# Altium PCB HIL_RIG_REV_1_2.PcbDoc (part 11 of 14)
Units mil, origin at the board's own origin, x right, y up, seen from the top; angles counter-clockwise.
Board outline 9845 x 7590 mil, 6 copper layers (Top Layer, Int1 (GND), Int2 (PWR), Int3 (Sign), Int4 (GND), Bottom Layer), stack 60.566 mil thick; 1465 components, 731 nets, 4058 pads, 3944 vias.
Unrouted connection lines stored in the file: 1754.
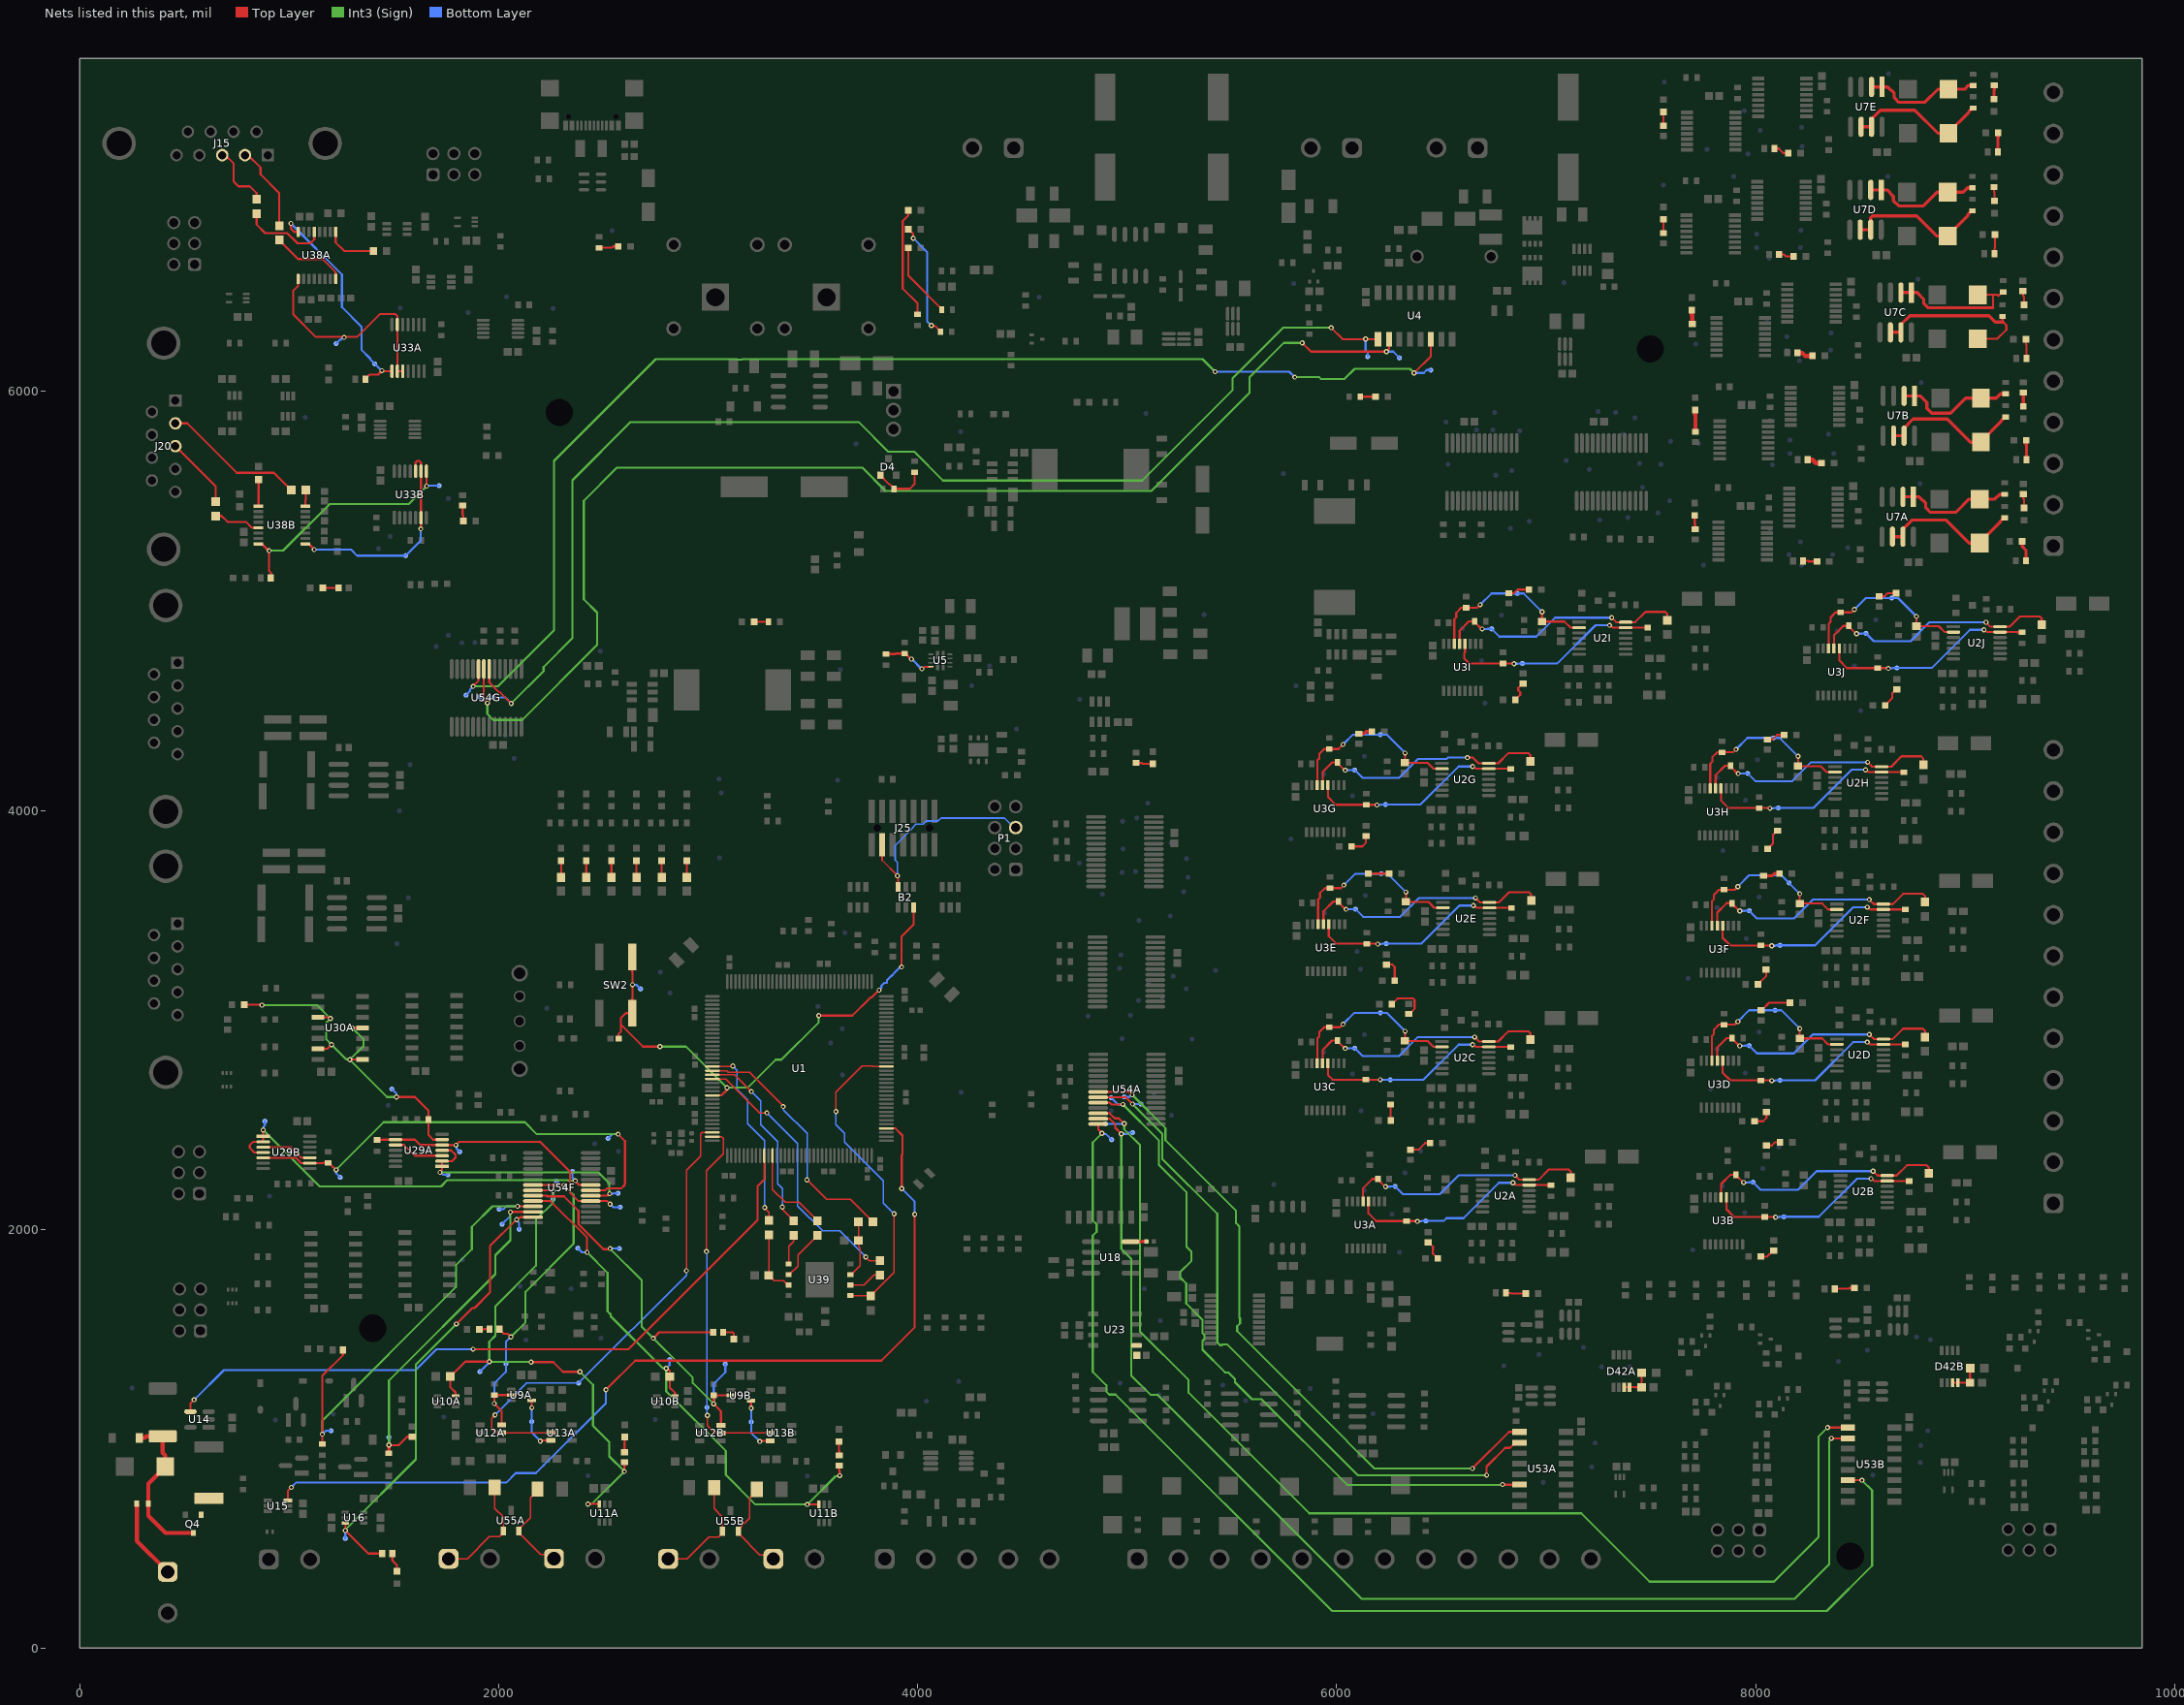
[diagram p15: the nets of this part, all layers, seen from the top]

## Via types
v1: diameter 24, hole 12, Top Layer to Bottom Layer, tented both sides, 3944 vias

## Nets (pads, with @x,y where several pads share a name; then routed paths per layer and width w, separated by ;. In a path a pad name is that pad's centre, name@x,y a point inside that pad or via, vN(x,y) a via of type N, cw(c..) or ccw(c..) an arc to the next point about the centre after c; other vN are vias at no path point) (continued)
N_DI_5V_compC: R10C.2 R11C.1 TP4C.1 U2C.2 U3C.14 | length 868.3
  Top Layer w10: U3C.14@5907.61,2796.49 5907.61,2910.52 5917.2,2920.11 5917.2,2941.45 5940.91,2965.15 6016.61,2965.15 v1(6030.92,2979.46) ; v1(6326.89,2945.79) R10C.2@6326.89,2899.38 6433.67,2899.38 6462.08,2870.98 U2C.2@6503.66,2870.98
  Bottom Layer w10: v1(6030.92,2979.46) 6085.25,3033.79 TP4C.1@6208.89,3033.79 6238.89,3033.79 v1(6326.89,2945.79)
N_DI_5V_compD: R10D.2 R11D.1 TP4D.1 U2D.2 U3D.14 | length 868.3
  Top Layer w10: U3D.14@7791.61,2808.49 7791.61,2922.52 7801.2,2932.11 7801.2,2953.45 7824.91,2977.15 7900.61,2977.15 v1(7914.92,2991.46) ; v1(8210.89,2957.79) R10D.2@8210.89,2911.38 8317.67,2911.38 8346.08,2882.98 U2D.2@8387.66,2882.98
  Bottom Layer w10: v1(7914.92,2991.46) 7969.25,3045.79 TP4D.1@8092.89,3045.79 8122.89,3045.79 v1(8210.89,2957.79)
N_DI_5V_compE: R10E.2 R11E.1 TP4E.1 U2E.2 U3E.14 | length 868.3
  Top Layer w10: U3E.14@5911.61,3460.49 5911.61,3574.52 5921.2,3584.11 5921.2,3605.45 5944.91,3629.15 6020.61,3629.15 v1(6034.92,3643.46) ; v1(6330.89,3609.79) R10E.2@6330.89,3563.38 6437.67,3563.38 6466.08,3534.98 U2E.2@6507.66,3534.98
  Bottom Layer w10: v1(6034.92,3643.46) 6089.25,3697.79 TP4E.1@6212.89,3697.79 6242.89,3697.79 v1(6330.89,3609.79)
N_DI_5V_compF: R10F.2 R11F.1 TP4F.1 U2F.2 U3F.14 | length 868.3
  Top Layer w10: U3F.14@7791.61,3452.49 7791.61,3566.52 7801.2,3576.11 7801.2,3597.45 7824.91,3621.15 7900.61,3621.15 v1(7914.92,3635.46) ; v1(8210.89,3601.79) R10F.2@8210.89,3555.38 8317.67,3555.38 8346.08,3526.98 U2F.2@8387.66,3526.98
  Bottom Layer w10: v1(7914.92,3635.46) 7969.25,3689.79 8092.89,3689.79 8122.89,3689.79 v1(8210.89,3601.79)
N_DI_5V_compG: R10G.2 R11G.1 TP4G.1 U2G.2 U3G.14 | length 868.3
  Top Layer w10: U3G.14@5907.61,4124.49 5907.61,4238.52 5917.2,4248.11 5917.2,4269.45 5940.91,4293.15 6009.07,4293.15 v1(6030.92,4315) ; v1(6326.89,4273.79) R10G.2@6326.89,4227.38 6433.67,4227.38 6462.08,4198.98 U2G.2@6503.66,4198.98
  Bottom Layer w10: v1(6030.92,4315) 6077.71,4361.79 TP4G.1@6208.89,4361.79 6238.89,4361.79 v1(6326.89,4273.79)
N_DI_5V_compH: R10H.2 R11H.1 TP4H.1 U2H.2 U3H.14 | length 868.3
  Top Layer w10: U3H.14@7783.61,4108.49 7783.61,4222.52 7793.2,4232.11 7793.2,4253.45 7816.91,4277.15 7892.61,4277.15 v1(7906.92,4291.46) ; v1(8202.89,4257.79) R10H.2@8202.89,4211.38 8309.67,4211.38 8338.08,4182.98 U2H.2@8379.66,4182.98
  Bottom Layer w10: v1(7906.92,4291.46) 7961.25,4345.79 TP4H.1@8084.89,4345.79 8114.89,4345.79 v1(8202.89,4257.79)
N_DI_5V_compI: R10I.2 R11I.1 TP4I.1 U2I.2 U3I.14 | length 868.3
  Top Layer w10: U3I.14@6561.61,4798.49 6561.61,4912.52 6571.2,4922.11 6571.2,4943.45 6594.91,4967.15 6670.61,4967.15 v1(6684.92,4981.46) ; v1(6980.89,4947.79) R10I.2@6980.89,4901.38 7087.67,4901.38 7116.08,4872.98 U2I.2@7157.66,4872.98
  Bottom Layer w10: v1(6684.92,4981.46) 6739.25,5035.79 TP4I.1@6862.89,5035.79 6892.89,5035.79 v1(6980.89,4947.79)
N_DI_5V_compJ: R10J.2 R11J.1 TP4J.1 U2J.2 U3J.14 | length 868.3
  Top Layer w10: U3J.14@8348.61,4776.49 8348.61,4890.52 8358.2,4900.11 8358.2,4921.45 8381.91,4945.15 8457.61,4945.15 v1(8471.92,4959.46) ; v1(8767.89,4925.79) R10J.2@8767.89,4879.38 8874.67,4879.38 8903.08,4850.98 U2J.2@8944.66,4850.98
  Bottom Layer w10: v1(8471.92,4959.46) 8526.25,5013.79 TP4J.1@8649.89,5013.79 8679.89,5013.79 v1(8767.89,4925.79)
N_DI_12V_compA: R16A.2 R17A.1 TP7A.1 U2A.14 U3A.13 | length 1199.4
  Top Layer w10: U3A.13@6126.2,2136.49 6126.2,2196.13 6170.89,2240.82 R17A.1@6197.36,2240.82 ; R17A.1@6197.36,2237.8 6231.36,2203.79 v1(6233.89,2203.79) ; v1(6851.89,2257.79) 6873.12,2236.57 U2A.14@6919.13,2236.57 6964.23,2236.57 7013.48,2285.82 7107.23,2285.82 7117.89,2275.15 R16A.2@7117.89,2246.31
  Bottom Layer w10: v1(6233.89,2203.79) 6258.19,2203.79 6259.19,2204.79 TP7A.1@6279,2204.79 6316,2167.79 6491.89,2167.79 6581.91,2257.81 6718.02,2257.81 ; 6718.04,2257.79 v1(6851.89,2257.79)
N_DI_12V_compB: R16B.2 R17B.1 TP7B.1 U2B.14 U3B.13 | length 1199.4
  Top Layer w10: U3B.13@7835.2,2156.49 7835.2,2216.13 7879.89,2260.82 R17B.1@7906.36,2260.82 ; R17B.1@7906.36,2257.8 7940.36,2223.79 v1(7942.89,2223.79) ; v1(8560.89,2277.79) 8582.12,2256.57 U2B.14@8628.13,2256.57 8673.23,2256.57 8722.48,2305.82 8816.23,2305.82 8826.89,2295.15 R16B.2@8826.89,2266.31
  Bottom Layer w10: v1(7942.89,2223.79) 7967.19,2223.79 7968.19,2224.79 TP7B.1@7988,2224.79 8025,2187.79 8200.89,2187.79 8290.91,2277.81 8427.02,2277.81 ; 8427.04,2277.79 v1(8560.89,2277.79)
N_DI_12V_compC: R16C.2 R17C.1 TP7C.1 U2C.14 U3C.13 | length 1199.4
  Top Layer w10: U3C.13@5933.2,2796.49 5933.2,2856.13 5977.89,2900.82 R17C.1@6004.36,2900.82 ; R17C.1@6004.36,2897.8 6038.36,2863.79 v1(6040.89,2863.79) ; v1(6658.89,2917.79) 6680.12,2896.57 U2C.14@6726.13,2896.57 6771.23,2896.57 6820.48,2945.82 6914.23,2945.82 6924.89,2935.15 R16C.2@6924.89,2906.31
  Bottom Layer w10: v1(6040.89,2863.79) 6065.19,2863.79 6066.19,2864.79 TP7C.1@6086,2864.79 6123,2827.79 6298.89,2827.79 6388.91,2917.81 6525.02,2917.81 ; 6525.04,2917.79 v1(6658.89,2917.79)
N_DI_12V_compD: R16D.2 R17D.1 TP7D.1 U2D.14 U3D.13 | length 1199.4
  Top Layer w10: U3D.13@7817.2,2808.49 7817.2,2868.13 7861.89,2912.82 R17D.1@7888.36,2912.82 ; R17D.1@7888.36,2909.8 7922.36,2875.79 v1(7924.89,2875.79) ; v1(8542.89,2929.79) 8564.12,2908.57 U2D.14@8610.13,2908.57 8655.23,2908.57 8704.48,2957.82 8798.23,2957.82 8808.89,2947.15 R16D.2@8808.89,2918.31
  Bottom Layer w10: v1(7924.89,2875.79) 7949.19,2875.79 7950.19,2876.79 TP7D.1@7970,2876.79 8007,2839.79 8182.89,2839.79 8272.91,2929.81 8409.02,2929.81 ; 8409.04,2929.79 v1(8542.89,2929.79)
N_DI_12V_compE: R16E.2 R17E.1 TP7E.1 U2E.14 U3E.13 | length 1198.1
  Top Layer w10: U3E.13@5937.2,3460.49 5937.2,3517.85 5984.17,3564.82 R17E.1@6008.36,3564.82 ; R17E.1@6008.36,3561.8 6042.36,3527.79 v1(6044.89,3527.79) ; v1(6662.89,3581.79) 6684.12,3560.57 U2E.14@6730.13,3560.57 6775.23,3560.57 6824.48,3609.82 6918.23,3609.82 6928.89,3599.15 R16E.2@6928.89,3570.31
  Bottom Layer w10: v1(6044.89,3527.79) 6069.19,3527.79 6070.19,3528.79 TP7E.1@6090,3528.79 6127,3491.79 6302.89,3491.79 6392.91,3581.81 6529.02,3581.81 ; 6529.04,3581.79 v1(6662.89,3581.79)
N_DI_12V_compF: R16F.2 R17F.1 TP7F.1 U2F.14 U3F.13 | length 1199.4
  Top Layer w10: U3F.13@7817.2,3452.49 7817.2,3512.13 7861.89,3556.82 R17F.1@7888.36,3556.82 ; R17F.1@7888.36,3553.8 7922.36,3519.79 v1(7924.89,3519.79) ; v1(8542.89,3573.79) 8564.12,3552.57 U2F.14@8610.13,3552.57 8655.23,3552.57 8704.48,3601.82 8798.23,3601.82 8808.89,3591.15 R16F.2@8808.89,3562.31
  Bottom Layer w10: v1(7924.89,3519.79) 7949.19,3519.79 7950.19,3520.79 TP7F.1@7970,3520.79 8007,3483.79 8182.89,3483.79 8272.91,3573.81 8409.02,3573.81 ; 8409.04,3573.79 v1(8542.89,3573.79)
N_DI_12V_compG: R16G.2 R17G.1 TP7G.1 U2G.14 U3G.13 | length 1204.5
  Top Layer w10: U3G.13@5933.2,4124.49 5933.2,4184.13 5977.89,4228.82 R17G.1@6004.36,4228.82 ; R17G.1@6004.36,4225.8 6038.36,4191.79 v1(6040.89,4191.79) ; v1(6624,4252) 6649.54,4252 6676.98,4224.57 6771.23,4224.57 6820.48,4273.82 6914.23,4273.82 6924.89,4263.15 R16G.2@6924.89,4234.31
  Bottom Layer w10: v1(6040.89,4191.79) 6065.19,4191.79 6066.19,4192.79 TP7G.1@6086,4192.79 6123,4155.79 6298.89,4155.79 6388.91,4245.81 6525.02,4245.81 6531.21,4252 v1(6624,4252)
N_DI_12V_compH: R16H.2 R17H.1 TP7H.1 U2H.14 U3H.13 | length 1199.4
  Top Layer w10: U3H.13@7809.2,4108.49 7809.2,4168.13 7853.89,4212.82 R17H.1@7880.36,4212.82 ; R17H.1@7880.36,4209.8 7914.36,4175.79 v1(7916.89,4175.79) ; v1(8534.89,4229.79) 8556.12,4208.57 U2H.14@8602.13,4208.57 8647.23,4208.57 8696.48,4257.82 8790.23,4257.82 8800.89,4247.15 R16H.2@8800.89,4218.31
  Bottom Layer w10: v1(7916.89,4175.79) 7941.19,4175.79 7942.19,4176.79 TP7H.1@7962,4176.79 7999,4139.79 8174.89,4139.79 8264.91,4229.81 8401.02,4229.81 ; 8401.04,4229.79 v1(8534.89,4229.79)
N_DI_12V_compI: R16I.2 R17I.1 TP7I.1 U2I.14 U3I.13 | length 1199.4
  Top Layer w10: U3I.13@6587.2,4798.49 6587.2,4858.13 6631.89,4902.82 R17I.1@6658.36,4902.82 ; R17I.1@6658.36,4899.8 6692.36,4865.79 v1(6694.89,4865.79) ; v1(7312.89,4919.79) 7334.12,4898.57 U2I.14@7380.13,4898.57 7425.23,4898.57 7474.48,4947.82 7568.23,4947.82 7578.89,4937.15 R16I.2@7578.89,4908.31
  Bottom Layer w10: v1(6694.89,4865.79) 6719.19,4865.79 6720.19,4866.79 TP7I.1@6740,4866.79 6777,4829.79 6952.89,4829.79 7042.91,4919.81 7179.02,4919.81 ; 7179.04,4919.79 v1(7312.89,4919.79)
N_DI_12V_compJ: R16J.2 R17J.1 TP7J.1 U2J.14 U3J.13 | length 1199.4
  Top Layer w10: U3J.13@8374.2,4776.49 8374.2,4836.13 8418.89,4880.82 R17J.1@8445.36,4880.82 ; R17J.1@8445.36,4877.8 8479.36,4843.79 v1(8481.89,4843.79) ; v1(9099.89,4897.79) 9121.12,4876.57 U2J.14@9167.13,4876.57 9212.23,4876.57 9261.48,4925.82 9355.23,4925.82 9365.89,4915.15 R16J.2@9365.89,4886.31
  Bottom Layer w10: v1(8481.89,4843.79) 8506.19,4843.79 8507.19,4844.79 TP7J.1@8527,4844.79 8564,4807.79 8739.89,4807.79 8829.91,4897.81 8966.02,4897.81 ; 8966.04,4897.79 v1(9099.89,4897.79)
N_DI_24V_compA: R20A.2 R21A.1 TP8A.1 U2A.13 U3A.12 | length 1025.9
  Top Layer w10: U3A.12@6151.8,2133.02 6151.8,2075.89 6188.51,2039.18 6272.98,2039.18 ; 6273,2039.15 R21A.1@6333.89,2039.15 6384.53,2039.15 v1(6385.89,2037.79) ; v1(6841.89,2221.79) 6845.68,2221.79 6856.5,2210.98 U2A.13@6919.13,2210.98 6999.37,2210.98 6999.91,2210.44 R20A.2@7023.89,2210.44
  Bottom Layer w10: v1(6385.89,2037.79) 6404.08,2037.79 6406.08,2039.79 6511.28,2039.79 6524.48,2053 6606.18,2053 6774.98,2221.79 v1(6841.89,2221.79)
N_DI_24V_compB: R20B.2 R21B.1 TP8B.1 U2B.13 U3B.12 | length 1025.9
  Top Layer w10: U3B.12@7860.8,2153.02 7860.8,2095.89 7897.51,2059.18 7981.98,2059.18 ; 7982,2059.15 R21B.1@8042.89,2059.15 8093.53,2059.15 v1(8094.89,2057.79) ; v1(8550.89,2241.79) 8554.68,2241.79 8565.5,2230.98 U2B.13@8628.13,2230.98 8708.37,2230.98 8708.91,2230.44 R20B.2@8732.89,2230.44
  Bottom Layer w10: v1(8094.89,2057.79) 8113.08,2057.79 8115.08,2059.79 TP8B.1@8134.89,2059.79 8301.98,2059.79 8483.98,2241.79 v1(8550.89,2241.79)
N_DI_24V_compC: R20C.2 R21C.1 TP8C.1 U2C.13 U3C.12 | length 1012.5
  Top Layer w10: U3C.12@5958.8,2793.02 5958.8,2735.89 5980.42,2714.26 v1(6208.22,2714.26) ; v1(6648.89,2881.79) 6652.68,2881.79 6663.5,2870.98 U2C.13@6726.13,2870.98 6806.37,2870.98 6806.91,2870.44 R20C.2@6830.89,2870.44
  Bottom Layer w10: v1(6208.22,2714.26) 6235.93,2714.26 6236.19,2714 TP8C.1@6256,2714 6414.18,2714 6581.98,2881.79 v1(6648.89,2881.79)
N_DI_24V_compD: R20D.2 R21D.1 TP8D.1 U2D.13 U3D.12 | length 1025.9
  Top Layer w10: U3D.12@7842.8,2805.02 7842.8,2747.89 7879.51,2711.18 7963.98,2711.18 ; 7964,2711.15 R21D.1@8024.89,2711.15 8075.53,2711.15 v1(8076.89,2709.79) ; v1(8532.89,2893.79) 8536.68,2893.79 8547.5,2882.98 U2D.13@8610.13,2882.98 8690.37,2882.98 8690.91,2882.44 R20D.2@8714.89,2882.44
  Bottom Layer w10: v1(8076.89,2709.79) 8095.08,2709.79 8097.08,2711.79 TP8D.1@8116.89,2711.79 8283.98,2711.79 8465.98,2893.79 v1(8532.89,2893.79)
N_DI_24V_compE: R20E.2 R21E.1 TP8E.1 U2E.13 U3E.12 | length 1025.9
  Top Layer w10: U3E.12@5962.8,3457.02 5962.8,3399.89 5999.51,3363.18 6083.98,3363.18 ; 6084,3363.15 R21E.1@6144.89,3363.15 6195.53,3363.15 v1(6196.89,3361.79) ; v1(6652.89,3545.79) 6656.68,3545.79 6667.5,3534.98 U2E.13@6730.13,3534.98 6810.37,3534.98 6810.91,3534.44 R20E.2@6834.89,3534.44
  Bottom Layer w10: v1(6196.89,3361.79) 6215.08,3361.79 6217.08,3363.79 TP8E.1@6236.89,3363.79 6403.98,3363.79 6585.98,3545.79 v1(6652.89,3545.79)
N_DI_24V_compF: R20F.2 R21F.1 TP8F.1 U2F.13 U3F.12 | length 1025.9
  Top Layer w10: U3F.12@7842.8,3449.02 7842.8,3391.89 7879.51,3355.18 7963.98,3355.18 ; 7964,3355.15 R21F.1@8024.89,3355.15 8075.53,3355.15 v1(8076.89,3353.79) ; v1(8532.89,3537.79) 8536.68,3537.79 8547.5,3526.98 U2F.13@8610.13,3526.98 8690.37,3526.98 8690.91,3526.44 R20F.2@8714.89,3526.44
  Bottom Layer w10: v1(8076.89,3353.79) 8095.08,3353.79 8097.08,3355.79 TP8F.1@8116.89,3355.79 8283.98,3355.79 8465.98,3537.79 v1(8532.89,3537.79)
N_DI_24V_compG: R20G.2 R21G.1 TP8G.1 U2G.13 U3G.12 | length 1025.9
  Top Layer w10: U3G.12@5958.8,4121.02 5958.8,4063.89 5995.51,4027.18 6079.98,4027.18 ; 6080,4027.15 R21G.1@6140.89,4027.15 6191.53,4027.15 v1(6192.89,4025.79) ; v1(6648.89,4209.79) 6652.68,4209.79 6663.5,4198.98 U2G.13@6726.13,4198.98 6806.37,4198.98 6806.91,4198.44 R20G.2@6830.89,4198.44
  Bottom Layer w10: v1(6192.89,4025.79) 6211.08,4025.79 6213.08,4027.79 TP8G.1@6232.89,4027.79 6399.98,4027.79 6581.98,4209.79 v1(6648.89,4209.79)
N_DI_24V_compH: R20H.2 R21H.1 TP8H.1 U2H.13 U3H.12 | length 1025.9
  Top Layer w10: U3H.12@7834.8,4105.02 7834.8,4047.89 7871.51,4011.18 7955.98,4011.18 ; 7956,4011.15 R21H.1@8016.89,4011.15 8067.53,4011.15 v1(8068.89,4009.79) ; v1(8524.89,4193.79) 8528.68,4193.79 8539.5,4182.98 U2H.13@8602.13,4182.98 8682.37,4182.98 8682.91,4182.44 R20H.2@8706.89,4182.44
  Bottom Layer w10: v1(8068.89,4009.79) 8087.08,4009.79 8089.08,4011.79 TP8H.1@8108.89,4011.79 8275.98,4011.79 8457.98,4193.79 v1(8524.89,4193.79)
N_DI_24V_compI: R20I.2 R21I.1 TP8I.1 U2I.13 U3I.12 | length 1038.5
  Top Layer w10: U3I.12@6612.8,4795.02 6612.8,4754.92 6609,4751.13 6609,4725.64 6633.47,4701.18 6733.98,4701.18 ; 6734,4701.15 R21I.1@6794.89,4701.15 6845.53,4701.15 v1(6846.89,4699.79) ; v1(7302.89,4883.79) 7306.68,4883.79 7317.5,4872.98 U2I.13@7380.13,4872.98 7460.37,4872.98 7460.91,4872.44 R20I.2@7484.89,4872.44
  Bottom Layer w10: v1(6846.89,4699.79) 6865.08,4699.79 6867.08,4701.79 TP8I.1@6886.89,4701.79 7053.98,4701.79 7235.98,4883.79 v1(7302.89,4883.79)
N_DI_24V_compJ: R20J.2 R21J.1 TP8J.1 U2J.13 U3J.12 | length 1025.9
  Top Layer w10: U3J.12@8399.8,4773.02 8399.8,4715.89 8436.51,4679.18 8520.98,4679.18 ; 8521,4679.15 R21J.1@8581.89,4679.15 8632.53,4679.15 v1(8633.89,4677.79) ; v1(9089.89,4861.79) 9093.68,4861.79 9104.5,4850.98 U2J.13@9167.13,4850.98 9247.37,4850.98 9247.91,4850.44 R20J.2@9271.89,4850.44
  Bottom Layer w10: v1(8633.89,4677.79) 8652.08,4677.79 8654.08,4679.79 TP8J.1@8673.89,4679.79 8840.98,4679.79 9022.98,4861.79 v1(9089.89,4861.79)
NetC27_1: C27.1 U23.5
NetC171A_1: C171A.1 D42A.7 D42A.8 R153A.2 | length 154.2
  Top Layer w10: D42A.7@7372.41,1246.46 D42A.7@7381.14,1246.46 ; D42A.7@7381.14,1246 D42A.7@7381.14,1246.46 ; R153A.2@7456,1316 C171A.1@7456,1246 7428.19,1246 7427.73,1246.46 D42A.8@7398,1246.46 D42A.7@7381.14,1246.46
NetC171B_1: C171B.1 D42B.7 D42B.8 R153B.2 | length 154.2
  Top Layer w10: D42B.7@8940.01,1267.46 D42B.7@8948.75,1267.46 ; D42B.7@8948.75,1267 D42B.7@8948.75,1267.46 ; R153B.2@9023.6,1337 C171B.1@9023.6,1267 8995.79,1267 8995.33,1267.46 D42B.8@8965.6,1267.46 D42B.7@8948.75,1267.46
NetD25_2: D25.2 R112.2 | length 93.7
  Top Layer w10: R112.2@2480,6685.92 2540.55,6685.92 2547.2,6692.56 D25.2@2570.94,6692.56
NetD30_2: D30.2 R125.2 | length 360.8
  Top Layer w10: D30.2@3955.47,6685 3955.47,6552.87 4114.41,6393.94 R125.2@4114.41,6390
NetD31_2: D31.2 R127.2 | length 62.9
  Top Layer w10: R127.2@6118.03,5975 D31.2@6180.94,5975
NetD35_2: D35.2 R136.2 | length 562.9
  Top Layer w10: D35.2@3955.47,6775 3979.22,6751.25 v1(3979.22,6731.28) ; v1(4065,6315) 4067.68,6312.32 4084.06,6312.32 4108.36,6288.02 R136.2@4108.36,6285
  Bottom Layer w10: v1(3979.22,6731.28) 4046,6664.5 4046,6334 v1(4065,6315)
NetD36_2: D36.2 R138.2 | length 62.9
  Top Layer w10: D36.2@3219.92,4900 R138.2@3282.83,4900
NetD39_2: D39.2 R146.2 | length 530.8
  Top Layer w10: D39.2@3955.94,6865 3955.94,6841.25 3928.72,6814.03 3928.72,6491.28 4000,6420 R146.2@4000,6375
NetD41_2: D41.2 R149.2 | length 82.2
  Top Layer w10: R149.2@5042.9,4226.96 5067.87,4226.96 5073.17,4221.66 D41.2@5122.9,4221.66
NMOS_drain: D10.1 D11.1 F6.1 Q4.3 R45.1 | length 781.3
  Top Layer w20: D11.1@284.37,1004 310.28,1004 318.11,1011.83 R45.1@396,1011.83 396,932.94 408.46,920.49 D10.1@408.46,868 408.46,866.03 327.56,785.13 327.56,632.4 409.26,550.69 Q4.3@542,550.69
NMOS_gate: Q4.1 R48.2
NRST: B2.6 C23.2 SW2.1 SW2.3 TP2.1 U1.25 | length 2616.7
  Top Layer w10: C23.2@2572.36,2909.95 2572.36,2932.13 2584,2943.77 2584,2976 ; SW2.1@2637.81,3299.81 2637.81,3228.82 2639.07,3227.56 v1(2639.07,3167.95) 2639.07,3104.35 2637.81,3103.09 SW2.3@2637.81,3032.09 2606.09,3032.09 2584,3010 2584,2976 ; v1(2770,2872) 2688,2872 2584,2976 ; U1.25@3020,2639.35 3063.43,2639.35 3087.32,2663.24 3087.32,2673.32 v1(3090,2676) ; v1(3528,3020.17) 3688.81,3020.17 3775.64,3107 3781,3107 v1(3815.96,3141.96) ; v1(3923.29,3252.4) 3923.29,3398.13 3981.1,3455.93 B2.6@3981.1,3536.48
  Int3 (Sign) w10: v1(2770,2872) 2894,2872 v1(3090,2676) 3188.64,2676 3322.81,2810.16 3349.52,2810.16 3528,2988.64 v1(3528,3020.17)
  Bottom Layer w10: v1(2639.07,3167.95) 2639.48,3167.54 2657.24,3167.54 TP2.1@2677.05,3147.73 ; v1(3815.96,3141.96) 3827,3153 3827,3162.36 3841.64,3177 3854,3177 3854,3190 3873,3209 3874.36,3209 3889,3223.64 3889,3225 3916.4,3252.4 v1(3923.29,3252.4)
NRST_unprot: B2.3 J25.12 P1.5 | length 1030.2
  Top Layer w8: J25.12@3830.4,3835.52 3830.4,3761.99 3903,3689.39 3903,3684.21 3906.29,3680.92 B2.3@3906.29,3634.91
  Bottom Layer w8: v1(3903,3688) 3903,3752.39 3893,3762.39 3893,3833 3976,3916 3976,3917.94 3992.06,3934 4025.57,3934 4041.29,3949.72 4097.72,3949.72 4111.48,3963.48 4414.45,3963.48 4459.93,3918 P1.5@4468,3918
O+A: D48A.2 R190A.2 | length 80
  Top Layer w10: R190A.2@2298,3680 D48A.2@2298,3760
O+B: D48B.2 R190B.2 | length 80
  Top Layer w10: R190B.2@2418,3680 D48B.2@2418,3760
O+C: D48C.2 R190C.2 | length 80
  Top Layer w10: R190C.2@2538,3680 D48C.2@2538,3760
O+D: D48D.2 R190D.2 | length 80
  Top Layer w10: R190D.2@2658,3680 D48D.2@2658,3760
O+E: D48E.2 R190E.2 | length 80
  Top Layer w10: R190E.2@2778,3680 D48E.2@2778,3760
O+F: D48F.2 R190F.2 | length 80
  Top Layer w10: R190F.2@2898,3680 D48F.2@2898,3760
OPA_clamped_1A: D7A.1 F3A.1 U7A.1 U7A.2 | length 563.3
  Top Layer w15: U7A.2@8703.52,5496.69 U7A.1@8753.52,5496.69 8781.01,5496.69 8812.14,5465.56 8812.14,5445.1 8834.24,5423 8957.11,5423 9019.92,5485.81 D7A.1@9070.44,5485.81 9142.39,5485.81 9165.12,5508.53 F3A.1@9188.87,5508.53
OPA_clamped_1B: D7B.1 F3B.1 U7B.1 U7B.2 | length 575.2
  Top Layer w15: U7B.2@8708.71,5978.88 U7B.1@8758.71,5978.88 8786.2,5978.88 8817.33,5947.75 8817.33,5918.67 8840,5896 8930,5896 9002,5968 D7B.1@9075.63,5968 9149.33,5968 9170.31,5988.98 F3B.1@9194.06,5988.98
OPA_clamped_1C: D7C.1 F3C.1 U7C.1 U7C.2 | length 675.8
  Top Layer w10: D7C.1@9060.46,6461.36 9134,6461.36 ; 9134,6400 9134,6461.36 ; F3C.1@9182,6474.88 9178.06,6474.88 9158.83,6455.64 9158.83,6455.5 9152.97,6461.36 9134,6461.36
  Top Layer w15: U7C.2@8693.54,6472.24 U7C.1@8743.54,6472.24 8771.03,6472.24 8802.16,6441.11 8802.16,6420.64 8822.8,6400 9134,6400
OPA_clamped_1D: D7D.1 F3D.1 U7D.1 U7D.2 | length 564.6
  Top Layer w15: U7D.2@8549.54,6962.24 U7D.1@8599.54,6962.24 8627.03,6962.24 8658.16,6931.11 8658.16,6910.64 8682.8,6886 8800.58,6886 8865.94,6951.36 D7D.1@8916.46,6951.36 8990.24,6951.36 9011.13,6972.25 F3D.1@9034.88,6972.25
OPA_clamped_1E: D7E.1 F3E.1 U7E.1 U7E.2 | length 561.1
  Top Layer w15: U7E.2@8553.42,7453.69 U7E.1@8603.42,7453.69 8630.92,7453.69 8662.05,7422.56 8662.05,7402.1 8684.14,7380 8807.02,7380 8869.83,7442.81 D7E.1@8920.35,7442.81 8997.56,7442.81 9015.02,7460.28 F3E.1@9038.77,7460.28
OPA_clamped_2A: D8A.1 F5A.1 U7A.6 U7A.7 | length 688.8
  Top Layer w15: U7A.6@8653.52,5306.64 U7A.7@8703.52,5306.64 8703.52,5343 8746.4,5385.88 8909.85,5385.88 9019.92,5275.81 D8A.1@9070.44,5275.81 9070.44,5277.78 9167.46,5374.8 9167.46,5379.12 9184.93,5396.58 F5A.1@9188.87,5396.58
OPA_clamped_2B: D8B.1 F5B.1 U7B.6 U7B.7 | length 687.5
  Top Layer w15: U7B.6@8658.71,5788.83 U7B.7@8708.71,5788.83 8708.71,5825.19 8751.59,5868.07 8915.04,5868.07 9025.11,5758 D8B.1@9075.63,5758 9075.63,5759.97 9172.65,5856.99 9172.65,5860.09 9190.12,5877.55 F5B.1@9194.06,5877.55
OPA_clamped_2C: D8C.1 F5C.1 U7C.6 U7C.7 | length 831.7
  Top Layer w10: D8C.1@9060.46,6251.36 9153.66,6251.36 9196.88,6294.58 9196.88,6316.26 9181.83,6331.3 ; 9172.01,6331.3 9178.88,6338.17 F5C.1@9178.88,6357.98
  Top Layer w15: U7C.6@8643.54,6282.19 U7C.7@8693.54,6282.19 8693.54,6318.55 8736.41,6361.43 9114.57,6361.43 9144.7,6331.3 9172.01,6331.3 9181.83,6331.3
OPA_clamped_2D: D8D.1 F5D.1 U7D.6 U7D.7 | length 690
  Top Layer w15: U7D.6@8499.54,6772.19 U7D.7@8549.54,6772.19 8549.54,6829.68 8557.44,6837.58 8769.71,6837.58 8865.94,6741.36 D8D.1@8916.46,6741.36 8916.46,6743.33 9013.48,6840.35 9013.48,6844.97 9030.94,6862.44 F5D.1@9034.88,6862.44
OPA_clamped_2E: D8E.1 F5E.1 U7E.6 U7E.7 | length 687.2